# Altium PCB Camera Trap.PcbDoc
Units mm, origin at the board's own origin, x right, y up, seen from the top; angles counter-clockwise.
Board outline 58 x 93.5 mm, 2 copper layers (Top Layer, Bottom Layer); 30 components, 26 nets, 115 pads, 7 vias.
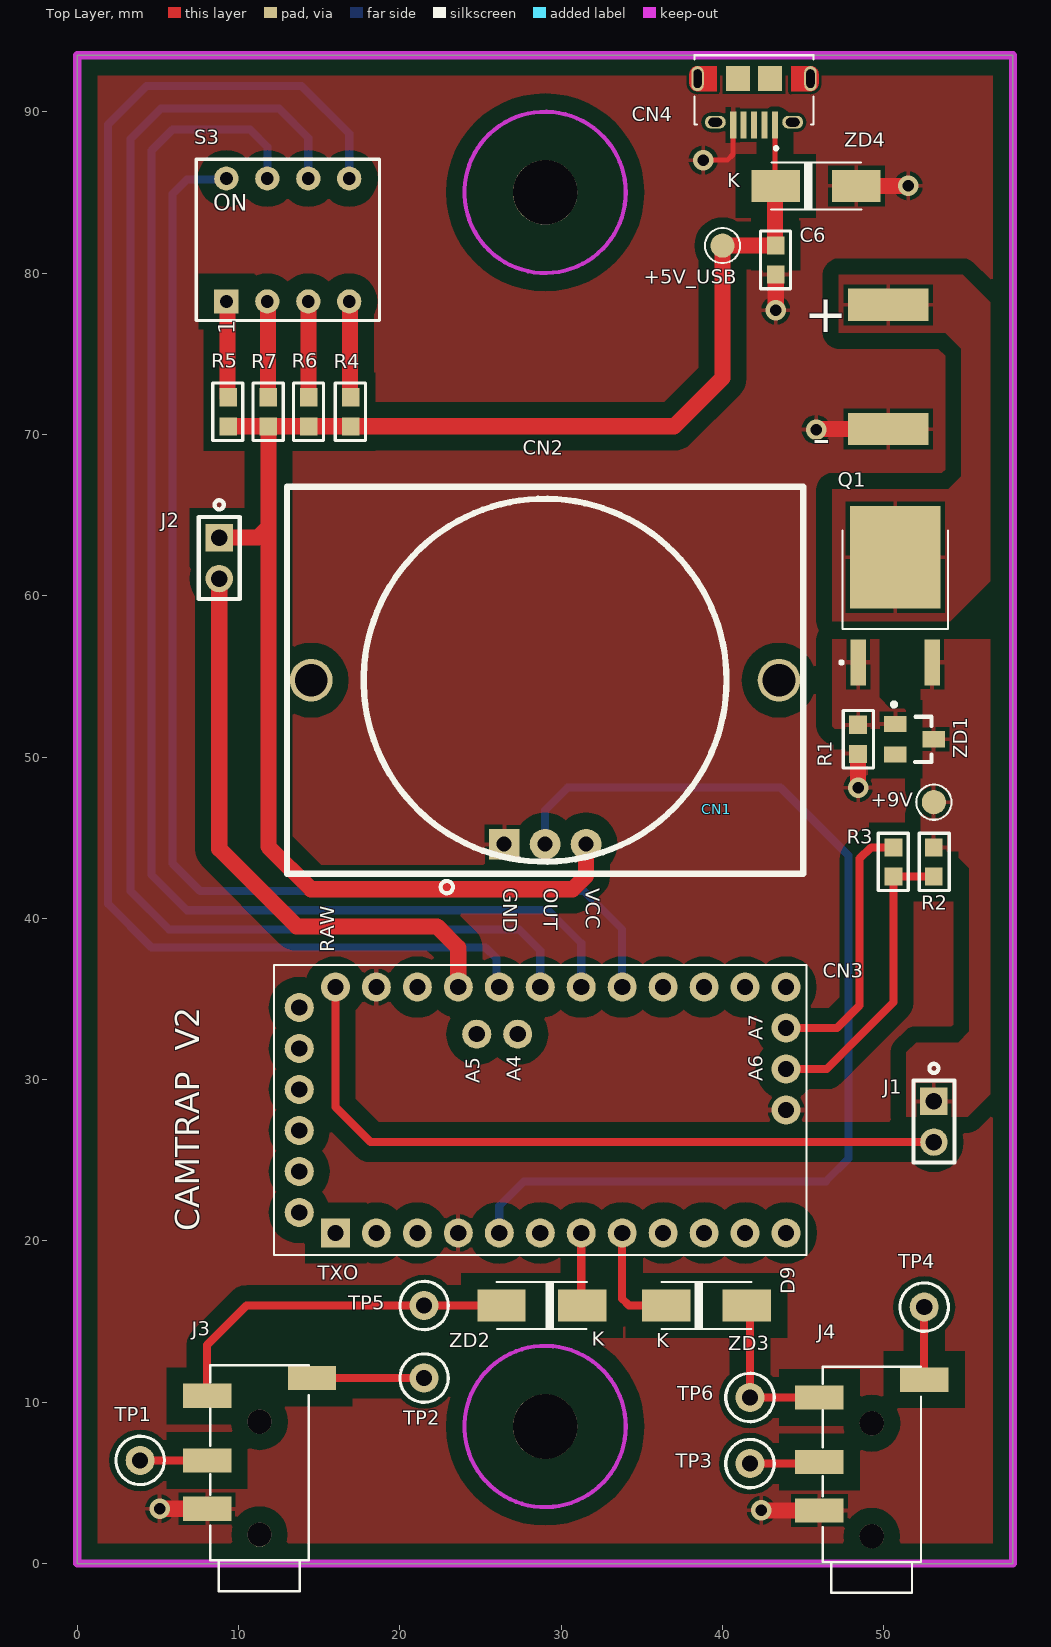
[diagram p0: Top Layer view]
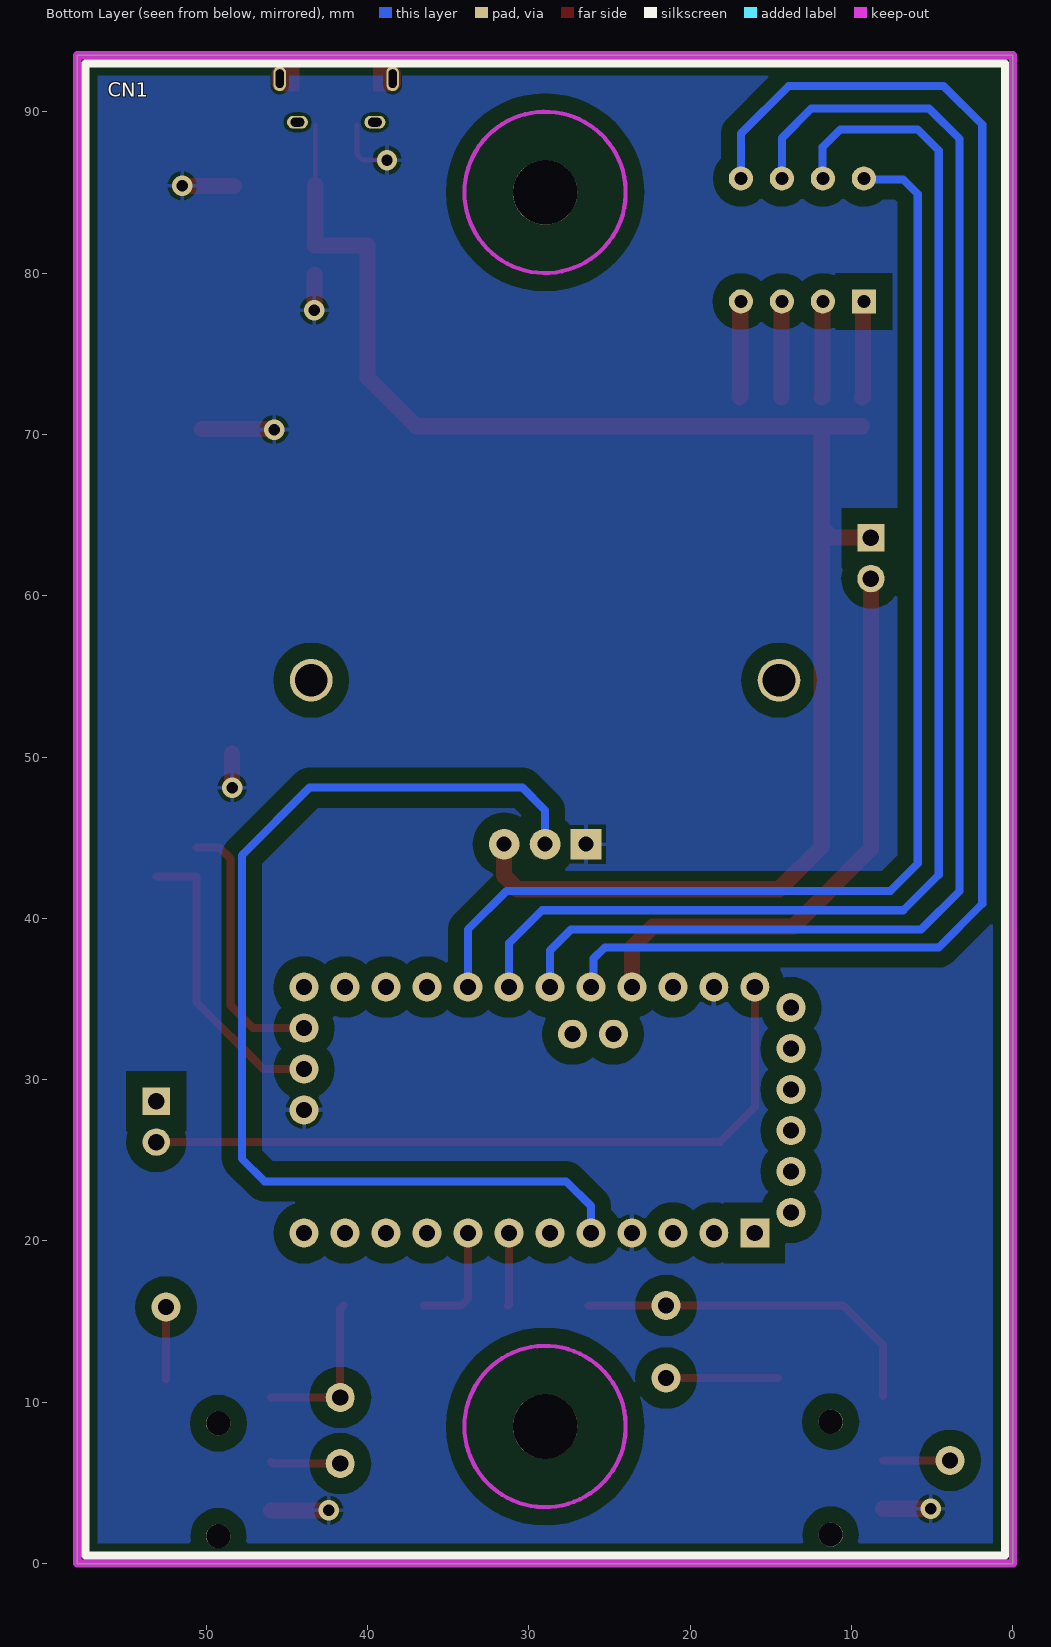
[diagram p1: Bottom Layer view, seen from below]
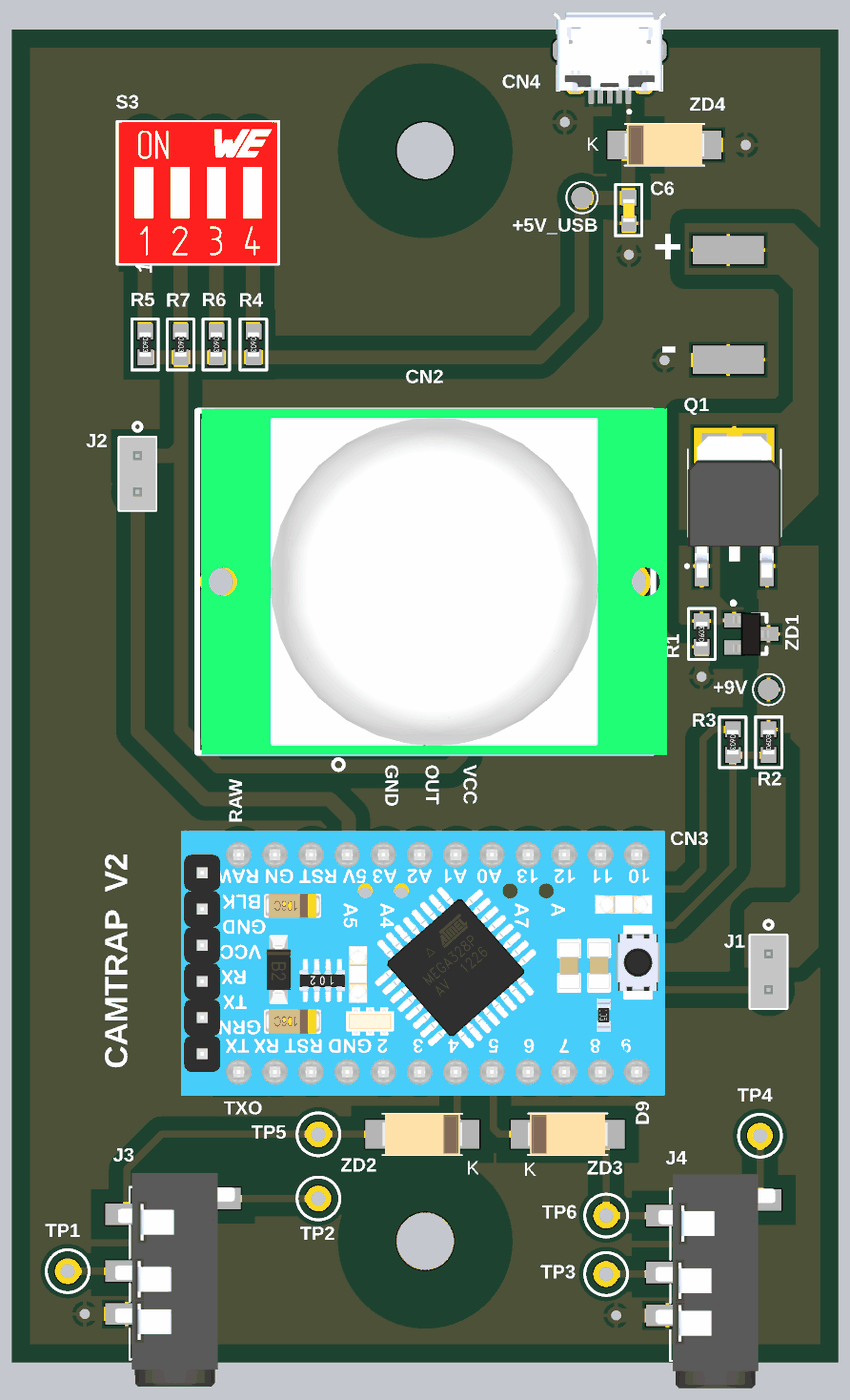
[diagram p2: 3D render of the assembled board from above, using the file's embedded part models]

## Layer stack, top to bottom
Top Solder: solder mask 0.0102, Solder Resist, Dk 3.5
Top Layer: signal copper 0.0356
Dielectric 1: dielectric 0.32, FR-4, Dk 4.8
Bottom Layer: signal copper 0.0356
Bottom Solder: solder mask 0.0102, Solder Resist, Dk 3.5

## Board outline
0,0 58,0 58,93.5 0,93.5

## Design rules (kind name [scope] priority, off if disabled: settings)
BoardOutlineClearance BoardOutlineClearance_1 [(InComponent('CN4') OR InComponent('J3') OR InComponent('J4') OR InComponent('CN1'))] p1: gap=0.254 ignorepadtopadclearanceinfootprint=FALSE except(0: Arc-SplitContinuation Track-OutlineEdge Track-SplitContinuation SMDPad-OutlineEdge SMDPad-SplitContinuation THPad-SplitContinuation Via-SplitContinuation Fill-SplitContinuation Poly-SplitContinuation Region-SplitContinuation Text-SplitContinuation; 0.203: Arc-OutlineEdge; 0.5: THPad-OutlineEdge Via-OutlineEdge Fill-OutlineEdge Poly-OutlineEdge Region-OutlineEdge Text-OutlineEdge)
BoardOutlineClearance [All] p2: gap=0.254 ignorepadtopadclearanceinfootprint=FALSE except(0: Arc-SplitContinuation Track-SplitContinuation SMDPad-SplitContinuation THPad-SplitContinuation Via-SplitContinuation Fill-SplitContinuation Poly-SplitContinuation Region-SplitContinuation Text-SplitContinuation; 0.5: Arc-OutlineEdge Track-OutlineEdge SMDPad-OutlineEdge THPad-OutlineEdge Via-OutlineEdge Fill-OutlineEdge Poly-OutlineEdge Region-OutlineEdge Text-OutlineEdge)
Clearance Clearance_CN4 [InComponent('CN4')] p1: gap=0.203 ignorepadtopadclearanceinfootprint=FALSE
Clearance [All] p2: gap=0.5 ignorepadtopadclearanceinfootprint=FALSE except(1: Arc-Fill Arc-Poly Arc-Region Track-Fill Track-Poly Track-Region SMDPad-Fill SMDPad-Poly SMDPad-Region THPad-Fill THPad-Poly THPad-Region Via-Fill Via-Poly Via-Region Fill-Fill Fill-Poly Fill-Region Fill-Hole Poly-Poly Poly-Region Poly-Hole Region-Region Region-Hole)
ComponentClearance [All] p1: gap=0.254 collisioncheckmode=3 verticalgap=2540 showdistances=FALSE
Height [All] p1: minheight=0 maxheight=30 prefheight=5
HoleSize [All] p1: absolutevalues=TRUE maxlimit=4.064 minlimit=0.025 maxpercent=80.000 minpercent=20.000
MinimumSolderMaskSliver [All] p1: minsoldermaskwidth=0.127
PolygonConnect [All] p1: connectstyle=Relief reliefconductorwidth=0.254 reliefentries=4 polygonreliefangle="90 Angle" airgapwidth=0.254
RoutingVias [All] p1: holewidth=0.711 width=1.27 viastyle="Through Hole" minholewidth=0.711 minwidth=1.27 maxholewidth=0.711 maxwidth=1.27
SilkToSilkClearance [All] p1: silktosilkclearance=0.127
SilkToSolderMaskClearance SilkToSolderMaskClearance_1 [(InComponent('CN4') OR InComponent('CN2') OR InComponent('J3') OR InComponent('J4'))] p1: minsilkscreentomaskgap=0 clearancetoexposedcopper=TRUE
SilkToSolderMaskClearance [IsPad] p2: minsilkscreentomaskgap=0.127 clearancetoexposedcopper=TRUE
SolderMaskExpansion [All] p1: expansion=0.102 istentingtop=FALSE
Width [All] p1: maxlimit=2 minlimit=0.254 preferedwidth=0.254
24 further rules are at their usual default settings.

## Components (designator, comment, footprint, x,y, rotation, side; value= is the part's Value field where it differs from the comment)
+5V_USB "+5V_USB" TP_SMD 40,81.7 r90 top
+9V "+9V" TP_SMD 53.1,47.2 r0 top
C6 "100nF" CAP_0603_MANUAL 43.3,80.8 r270 top
CN1 "Battery cell" BAT_AAA 57.5,0.5 r180 bottom locked
CN2 "HC-SR501" PIR-SR501 29,49.68 r0 top
CN3 "Arduino mini Pro" "Arduino pro mini" 16,20.5 r90 top
CN4 "Micro USB" AMPHENOL_10118194-0001LF 41.95,92.05 r180 top locked
J1 "2 pin Header" 2Pin_Header_2.54mmpitch 53.1,27.4 r270 top
J2 "2 pin Header" 2Pin_Header_2.54mmpitch 8.8,62.33 r270 top
J3 "Audio Jack" "Audio JAck" 14.35,0.2 r90 top
J4 "Audio Jack" "Audio JAck" 52.3,0.1 r90 top
Q1 "IRFR5305TRPBF" TO-252 50.7,60 r90 top
R1 "100K" RES_0603_MANUAL 48.4,51.1 r90 top
R2 "100K" RES_0603_MANUAL 53.1,43.5 r90 top
R3 "47K" RES_0603_MANUAL 50.6,43.5 r270 top
R4 "1K" RES_0603_MANUAL 16.95,71.4 r270 top
R5 "1K" RES_0603_MANUAL 9.35,71.4 r270 top
R6 "1K" RES_0603_MANUAL 14.35,71.4 r270 top
R7 "1K" RES_0603_MANUAL 11.85,71.4 r270 top
S3 "DIP Switch" "DIP Switch" 13.05,82.05 r0 top
TP1 "TP" Tp 3.9,6.4 r0 top
TP2 "TP" Tp 21.5,11.5 r0 top
TP3 "TP" Tp 41.7,6.2 r0 top
TP4 "TP" Tp 52.5,15.9 r0 top
TP5 "TP" Tp 21.5,16 r0 top
TP6 "TP" Tp 41.7,10.3 r0 top
ZD1 "BZX84-C12" SOT-23 51.9,51.1 r270 top
ZD2 "SML4733" DO-214AC_SMA 28.8,16 r0 top
ZD3 "SML4733" DO-214AC_SMA 39,16 r180 top
ZD4 "SML4733" DO-214AC_SMA 45.8,85.4 r180 top

## Footprints (in the part's own frame and the unit in brackets; to place one, negate y for a bottom-side part, rotate by r counter-clockwise, add the part's x,y. Pads: shape width x height; smd on the part's side, far side on the other; paste and mask are expansions set on the pad)
2Pin_Header_2.54mmpitch [mm]
  rect 1.7x1.7 hole 1.02: 1(-1.27,0)
  round 1.7 hole 1.02: 2(1.27,0)
  silkscreen extent -3.59,-1.27 2.54,1.27, body extent -2.54,-1.27 2.54,1.27, height 10.17
AMPHENOL_10118194-0001LF [mm]
  rect 0.4x1.7 smd mask+0.051: 1(-1.3,2.875) 2(-0.65,2.875) 3(0,2.875) 4(0.65,2.875) 5(1.3,2.875)
  oval 1.3x0.8 hole 0.55 slot 0.85 at 0 deg mask+0.051: S1(-2.4,2.7) S2(2.4,2.7)
  oval 0.775x1.55 hole 0.5 slot 1.15 at 90 deg: S3(-3.5,0) S6(3.5,0)
  rect 1.5x1.55 smd: S4(-1,0) S5(1,0)
  Top Layer region: 192 vertices and 0 holes, not listed, extent 2.3,-0.78 4,0.775
  Top Layer region: 192 vertices and 0 holes, not listed, extent -4,-0.775 -2.3,0.78
  silkscreen extent -3.7,-1.45 3.7,4.42, body extent -4.02,-2.68 4.02,2.85, height 2.67
"Arduino pro mini" [mm]
  rect 1.8x1.8 hole 1 mask+0.102: 1(0,0)
  round 1.8 hole 1 mask+0.102: 2(0,-2.54) 3(0,-5.08) 4(0,-7.62) 5(0,-10.16) 6(0,-12.7) 7(0,-15.24) 8(0,-17.78) 9(0,-20.32) 10(0,-22.86) 11(0,-25.4) 12(0,-27.94) 13(15.24,0) 14(15.24,-2.54) 15(15.24,-5.08) 16(15.24,-7.62) 17(15.24,-10.16) 18(15.24,-12.7) 19(15.24,-15.24) 20(15.24,-17.78) 21(15.24,-20.32) 22(15.24,-22.86) 23(15.24,-25.4) 24(15.24,-27.94) 25(10.16,-27.94) 26(12.7,-27.94) 27(12.319,-11.303) 28(12.319,-8.763) DTR(1.27,2.24) GND(7.62,-27.94) GND1(11.43,2.24) GND2(13.97,2.24) RXI(6.35,2.24) TXO(3.81,2.24) VCC(8.89,2.24)
  silkscreen extent -1.38,-29.21 16.62,3.81, body extent -1.81,-29.85 16.79,4.16, height 13.6
"Audio JAck" [mm]
  round 1.5 hole 1.5 unplated: 0(1.6,3.05) 0(8.6,3.05)
  rect 1.5x3 smd: 2(3.2,6.3) 3(6.2,6.3) 4(10.2,6.3) 5(11.3,-0.2)
  silkscreen extent -1.91,0 12.1,6.1, body extent -1.91,-1.28 13.09,7.12, height 5.4
BAT_AAA [mm]
  rect 5x2 smd far side mask+0.102: 1(7.227,77.528) 2(7.227,69.828)
  round 4 hole 4: ""(28.5,8)
  round 4 hole 4 unplated: ""(28.5,84.5)
  silkscreen extent 0,0 57,92.5
CAP_0603_MANUAL [mil]
  rect 44x43 smd: 1(-35.43,0) 2(35.43,0)
  silkscreen extent -71,-37 70,36, body extent -37,-16 37,16, height 32
"DIP Switch" [mm] "2.54 mm compact THT with raised actuator, 4p"
  rect 1.5x1.5 hole 0.8: 1(-3.81,-3.81)
  round 1.5 hole 0.8: 2(-1.27,-3.81) 3(1.27,-3.81) 4(3.81,-3.81) 5(3.81,3.81) 6(1.27,3.81) 7(-1.27,3.81) 8(-3.81,3.81)
  silkscreen extent -5.68,-5 5.68,5, body extent -5.58,-4.95 5.58,4.95, height 6.9
DO-214AC_SMA [mm]
  rect 3x2 smd: 1(-2.5,0) 2(2.5,0)
  silkscreen extent -2.8,-1.47 2.79,1.45, body extent -2.79,-1.46 2.79,1.46, height 2.55
PIR-SR501 [mil]
  rect 75x75 hole 36: 1(-100,-200)
  round 75 hole 36: 2(0,-200) 3(100,-200)
  round 104 hole 80: ""(-570.9,200) ""(570.9,200)
  silkscreen extent -630,-320 630,672, body extent -619,-278 669,678, height 1122
RES_0603_MANUAL [mil]
  rect 44x43 smd: 1(-35.43,0) 2(35.43,0)
  silkscreen extent -70,-37 70,36, body extent -33,-16 33,15, height 22
SOT-23 [mm]
  rect 1x1.4 smd: 1(-0.95,-1.2) 2(0.95,-1.2) 3(0,1.2)
  silkscreen extent -2.29,-1.4 1.4,1.06, body extent -1.49,-1.32 1.51,1.22, height 1.1
TO-252 [mm]
  rect 2.83x0.97 smd: 1(-4.14,2.29) 3(-4.14,-2.29)
  rect 6.35x5.63 smd paste-4: 2(2.38,0)
  silkscreen extent -4.24,-3.27 4.03,3.42, body extent -4.95,-3.27 4.95,3.27, height 2.39
Tp [mm]
  round 1.8 hole 1 mask+0.08: 1(0,0)
  silkscreen extent -1.5,-1.5 1.5,1.5
TP_SMD [mm]
  round 1.5 smd mask+0.08: 1(0,0)
  silkscreen extent -1.09,-1.09 1.09,1.09

## Part data
+5V_USB +9V: library part TP
C6: library part "CAP CER 100nF 50V X7R 0603", "100nF 104 0603 (1608 metric) 50V X7R MLCC", Sunrom P/N=5190
CN1: library part "Battery Cell", "6x AAA cell", Robu P/N=294162
CN2: library part "PIR Motion Detection Sensor HC-SR501", "PIR Motion Detection Sensor HC-SR501", Sunrom P/N=4176
CN3: "Pro Mini - ATMEGA 328P - 5V 16Mhz - Compatible Board", EC_P/N=0923
CN4: library part "Micro USB Connector", "MicroUSB Connector with through hole", Sunrom P/N=4653
J3 J4: library part "Stereo Socket 3.5mm PCB Mount SMD", "Stereo Socket 3.5mm PCB Mount SMD", Sunrom P/N=5543
Q1: library part "MOSFET P-CH 55V 31A TO252", "IRFR5305TRPBF (31A 55V) IRFR5305 TO252 P-CH MOSFET", Manufacturer="Infineon Technologies", Manufacturer_P/N=IRFR5305TRPBF, Sunrom P/N=6680
R1: library part "RES 100K OHM 1% 0603", "47K 1% 0603", Sunrom P/N=5108
R2: library part "100K 1% 0603", "100K 1% 0603", Sunrom P/N=5108
R3: library part "RES 47K OHM 1% 0603", "47K 1% 0603", Sunrom P/N=6636
R4 R5 R6 R7: library part "1K 1% 0603", "100K 1% 0603", Sunrom P/N=5191
S3: library part "SPST DIP Switch", "4 Way 2.54MM DIP switch", Sunrom P/N=5841
ZD1: library part "BZX84-C12 NXP 12V 250mW SOT23", "BZX84-C12 NXP 12V 250mW SOT23 Zener Diode", Sunrom P/N=5396
ZD2 ZD3 ZD4: library part "SML4733 5.1V 1W Zener Diode DO-214AC", "SML4733 5.1V 1W Zener Diode DO-214AC (SMA) SMD", Sunrom P/N=5396
J1 J2: Sunrom P/N=7197

## Via types
v1: diameter 1.27, hole 0.711, Top Layer to Bottom Layer, tented both sides, 7 vias

## Nets (pads, with @x,y where several pads share a name; then routed paths per layer and width w, separated by ;. In a path a pad name is that pad's centre, name@x,y a point inside that pad or via, vN(x,y) a via of type N, cw(c..) or ccw(c..) an arc to the next point about the centre after c; other vN are vias at no path point)
+5V_USB: +5V_USB.1 C6.1 CN2.3 CN4.1 J2.1 R4.2 R5.2 R6.2 R7.2 ZD4.2 | length 103.4
  Top Layer w0.3: ZD4.2@43.25,85.45 CN4.1
  Top Layer w1: J2.1 11.2,63.6 11.85,64.25 ; R5.2 R7.2 ; CN2.3 31.54,42.638 30.702,41.8 14.5,41.8 11.85,44.45 11.85,64.25 ; ZD4.2@43.25,85.45 43.25,81.763 43.3,81.713 C6.1 +5V_USB.1 40,73.5 37,70.5 R4.2 R6.2 R7.2 ; 11.85,64.25 R7.2
+9V: +9V.1 J1.1 Q1.3 R2.2 ZD1.3
+9V_RAW: CN1.1 Q1.2
"Audio jack1": J3.4 TP5.1 ZD2.1 | length 22.4
  Top Layer w0.5: J3.4 8.05,13.55 10.5,16 TP5.1 ZD2.1
"Audio jack2": J4.4 TP6.1 ZD3.1 | length 10.1
  Top Layer w0.5: ZD3.1 41.7,15.8 TP6.1 J4.4
BAT_GND: CN3.26 R3.1 | length 16.6
  Top Layer w0.5: CN3.26 47.1,33.2 48.5,34.6 48.5,43.7 49.2,44.4 R3.1
GND: C6.2 CN1.2 CN2.1 CN3.4 CN3.14 CN3.GND CN4.5 J3.2 J4.2 R1.1 ZD4.1 | length 22.4
  Top Layer w0.3: v1(38.8,87) 40.3,87 40.65,87.35 CN4.5
  Top Layer w1: v1(5.1,3.4) J3.2 ; v1(42.4,3.3) J4.2 ; v1(43.3,77.7) C6.2 ; v1(45.8,70.3) 45.828,70.328 CN1.2 ; ZD4.1 v1(51.5,85.4) ; v1(48.4,48.1) R1.1
NetCN3_7: CN3.7 ZD2.2 | length 4.5
  Top Layer w0.5: CN3.7 31.24,16.06 ZD2.2
NetCN3_8: CN3.8 ZD3.2 | length 7
  Top Layer w0.5: CN3.8 33.78,16.42 34.2,16 ZD3.2
NetCN3_13: CN3.13 J1.2 | length 45.4
  Top Layer w0.5: CN3.13 16,28.3 18.17,26.13 J1.2
NetCN3_16: CN3.16 J2.2 | length 36.6
  Top Layer w1: J2.2 8.8,44.3 13.6,39.5 22.3,39.5 23.62,38.18 CN3.16
NetJ3_3: J3.3 TP1.1 | length 4.1
  Top Layer w0.5: TP1.1 J3.3
NetJ3_5: J3.5 TP2.1 | length 7
  Top Layer w0.5: J3.5 TP2.1
NetJ4_3: J4.3 TP3.1 | length 4.3
  Top Layer w0.5: TP3.1 45.9,6.2 J4.3
NetJ4_5: J4.5 TP4.1 | length 4.5
  Top Layer w0.5: J4.5 TP4.1
NetQ1_1: Q1.1 R1.2 ZD1.1
NetR4_1: R4.1 S3.4 | length 6
  Top Layer w1: S3.4 16.905,78.195 16.905,72.345 R4.1
NetR5_1: R5.1 S3.1 | length 6
  Top Layer w1: S3.1 9.304,78.176 9.304,72.346 R5.1
NetR6_1: R6.1 S3.3 | length 6
  Top Layer w1: S3.3 14.335,78.225 14.335,72.315 R6.1
NetR7_1: R7.1 S3.2 | length 6
  Top Layer w1: S3.2 11.815,78.205 11.815,72.335 R7.1
PIR_SENSOR: CN2.2 CN3.5 | length 66.5
  Bottom Layer w0.5: CN3.5 26.16,22.16 27.7,23.7 46.4,23.7 47.8,25.1 47.8,43.9 43.6,48.1 30.4,48.1 29,46.7 CN2.2
SW1: CN3.17 S3.5 | length 95.6
  Bottom Layer w0.5: S3.5 16.86,88.64 13.9,91.6 4.3,91.6 1.9,89.2 1.9,40.9 4.6,38.2 25.3,38.2 26,37.5 26,35.9 CN3.17
SW2: CN3.18 S3.6 | length 90.9
  Bottom Layer w0.5: S3.6 14.32,88.38 12.5,90.2 5.2,90.2 3.3,88.3 3.3,41.7 5.7,39.3 27.4,39.3 28.7,38 CN3.18
SW3: CN3.19 S3.7 | length 86.2
  Bottom Layer w0.5: S3.7 11.8,85.88 11.8,87.8 10.7,88.9 5.9,88.9 4.6,87.6 4.6,42.7 6.8,40.5 29.2,40.5 31.24,38.46 CN3.19
SW4: CN3.20 S3.8 | length 78.4
  Bottom Layer w0.5: S3.8 9.18,85.8 6.8,85.8 5.9,84.9 5.9,43.4 7.6,41.7 31.4,41.7 33.78,39.32 CN3.20
VOLT_MEAS: CN3.25 R2.1 R3.2 | length 18.7
  Top Layer w0.5: CN3.25 46.46,30.66 50.6,34.8 R3.2 R2.1
pads on no net: CN1. CN2. CN3.1 CN3.2 CN3.3 CN3.6 CN3.9 CN3.10 CN3.11 CN3.12 CN3.15 CN3.21 CN3.22 CN3.23 CN3.24 CN3.27 CN3.28 CN3.DTR CN3.GND1 CN3.GND2 CN3.RXI CN3.TXO CN3.VCC CN4.2 CN4.3 CN4.4 CN4.S1 CN4.S2 CN4.S3 CN4.S4 CN4.S5 CN4.S6 J3.0 J4.0 ZD1.2

## Polygon pours and split planes (outlines as drawn)
GND on Top Layer "NONET_L-01_P-001" (solid, remove dead copper, pour order 4): 0,0 58,0 58,93.5 0,93.5
NetQ1_1 on Top Layer "NONET_L-01_P-001" (solid, pour order 2): 51.5,51.5 51.3,51.3 47.4,51.3 46.8,51.9 46.8,57.3 49.7,57.3 49.7,53.7 50.4,53 51.5,53
+9V on Top Layer "NONET_L-01_P-001" (solid, remove dead copper, pour order 1): 56.6,29.1 55.2,27.7 51.4,27.7 51.4,31.7 52,32.3 54.6,32.3 55.3,33 55.3,43.1 54.6,43.8 52.3,43.8 52.3,57.3 56.6,57.3
+9V_RAW on Top Layer "NONET_L-01_P-001" (solid, remove dead copper, pour order 0): 47.2,76.3 53.8,76.3 54.8,75.3 54.8,67.4 54,66.6 46.8,66.6 46.8,58.4 54.1,58.4 56.6,60.9 56.6,78.2 54.9,79.9 47.2,79.9
GND on Bottom Layer "NONET_L-01_P-001" (solid, remove dead copper, pour order 3): 0,0 58,0 58,93.5 0,93.5

## Keep-outs
Keep-Out Layer:
  circle w0.254: c29,8.5 r5
  circle w0.254: c29,85 r5
  lines w0.5: 0,0 58,0 58,93.5 0,93.5 0,0

## Silkscreen, mask and mechanical layers (free items; w line width, h text height)
Top Overlay:
  text "CAMTRAP  V2" at 8.072,20.6 h2.54 r90
Mechanical 1:
  the board outline again, w0.5
Drill Drawing:
  circle w0.254: c2.656,149.222 r0.508
  circle w0.254: c2.656,149.222 r0.847
  circle w0.254: c2.656,118.742 r0.847
  lines w0.254: 1.809,121.705 1.809,122.128 2.233,122.552 1.809,122.975 1.809,123.398 2.233,123.398 2.656,122.975 3.079,123.398 3.503,123.398 3.503,122.975 3.079,122.552 3.503,122.128 3.503,121.705 3.079,121.705 2.656,122.128 2.233,121.705 1.809,121.705 ; 1.809,127.208 3.503,127.208 2.656,125.515 1.809,127.208 ; 1.809,129.325 3.503,129.325 3.503,131.018 1.809,131.018 1.809,129.325 ; 1.809,133.982 2.656,133.135 3.503,133.982 2.656,134.828 1.809,133.982 ; 1.809,137.368 2.233,137.368 2.656,136.945 3.079,137.368 3.503,137.368 3.079,137.792 3.503,138.215 3.079,138.215 2.656,138.638 2.233,138.215 1.809,138.215 2.233,137.792 1.809,137.368 ; 1.809,142.448 3.503,142.448 2.656,140.755 1.809,142.448 ; 1.809,144.565 3.503,144.565 3.503,146.258 1.809,146.258 1.809,144.565 ; 1.809,152.185 2.656,152.608 3.503,152.185 3.079,153.032 3.503,153.878 2.656,153.455 1.809,153.878 2.233,153.032 1.809,152.185 ; 1.809,156.418 2.233,156.418 2.233,155.995 3.079,155.995 3.079,156.418 3.503,156.418 3.503,157.265 3.079,157.265 3.079,157.688 2.233,157.688 2.233,157.265 1.809,157.265 1.809,156.418 ; 2.148,126.87 3.164,126.87 2.656,125.854 2.148,126.87 ; 2.148,144.904 3.164,144.904 3.164,145.92 2.148,145.92 2.148,144.904
  lines w0.381: 0.29,116.752 117.759,116.752 ; 0.29,158.662 117.759,158.662 ; 14.283,112.942 14.283,162.472 ; 27.995,112.942 27.995,162.472 ; 57.197,112.942 57.197,162.472 ; 70.046,112.942 70.046,162.472 ; 88.684,112.942 88.684,162.472 ; 0.29,112.942 117.759,112.942 117.759,162.472 0.29,162.472 0.29,112.942
  lines w0.5: 0,0 58,0 58,93.5 0,93.5 0,0
  text "Symbol" at 2.576,159.805 h1.83
  text "Count" at 15.426,159.805 h1.83
  text "Hole Size" at 29.138,159.805 h1.83
  text "Plated" at 58.34,159.805 h1.83
  text "Hole Type" at 71.189,159.805 h1.83
  text "Hole Length" at 89.827,159.805 h1.83
  text "1" at 15.426,155.995 h1.52
  text "157.48mil (4.000mm)" at 29.138,155.995 h1.52
  text "NPTH" at 58.34,155.995 h1.52
  text "Round" at 71.189,155.995 h1.52
  text "-" at 89.827,155.995 h1.52
  text "1" at 15.426,152.185 h1.52
  text "157.48mil (4.000mm)" at 29.138,152.185 h1.52
  text "PTH" at 58.34,152.185 h1.52
  text "Round" at 71.189,152.185 h1.52
  text "-" at 89.827,152.185 h1.52
  text "2" at 15.426,148.375 h1.52
  text "19.69mil (0.500mm)" at 29.138,148.375 h1.52
  text "PTH" at 58.34,148.375 h1.52
  text "Slot" at 71.189,148.375 h1.52
  text "45.28mil (1.150mm)" at 89.827,148.375 h1.52
  text "2" at 15.426,144.565 h1.52
  text "21.65mil (0.550mm)" at 29.138,144.565 h1.52
  text "PTH" at 58.34,144.565 h1.52
  text "Slot" at 71.189,144.565 h1.52
  text "33.47mil (0.850mm)" at 89.827,144.565 h1.52
  text "2" at 15.426,140.755 h1.52
  text "80.00mil (2.032mm)" at 29.138,140.755 h1.52
  text "PTH" at 58.34,140.755 h1.52
  text "Round" at 71.189,140.755 h1.52
  text "-" at 89.827,140.755 h1.52
  text "3" at 15.426,136.945 h1.52
  text "36.00mil (0.914mm)" at 29.138,136.945 h1.52
  text "PTH" at 58.34,136.945 h1.52
  text "Round" at 71.189,136.945 h1.52
  text "-" at 89.827,136.945 h1.52
  text "4" at 15.426,133.135 h1.52
  text "40.16mil (1.020mm)" at 29.138,133.135 h1.52
  text "PTH" at 58.34,133.135 h1.52
  text "Round" at 71.189,133.135 h1.52
  text "-" at 89.827,133.135 h1.52
  text "4" at 15.426,129.325 h1.52
  text "59.06mil (1.500mm)" at 29.138,129.325 h1.52
  text "NPTH" at 58.34,129.325 h1.52
  text "Round" at 71.189,129.325 h1.52
  text "-" at 89.827,129.325 h1.52
  text "7" at 15.426,125.515 h1.52
  text "28.00mil (0.711mm)" at 29.138,125.515 h1.52
  text "PTH" at 58.34,125.515 h1.52
  text "Round" at 71.189,125.515 h1.52
  text "-" at 89.827,125.515 h1.52
  text "8" at 15.426,121.705 h1.52
  text "31.50mil (0.800mm)" at 29.138,121.705 h1.52
  text "PTH" at 58.34,121.705 h1.52
  text "Round" at 71.189,121.705 h1.52
  text "-" at 89.827,121.705 h1.52
  text "41" at 15.426,117.895 h1.52
  text "39.37mil (1.000mm)" at 29.138,117.895 h1.52
  text "PTH" at 58.34,117.895 h1.52
  text "Round" at 71.189,117.895 h1.52
  text "-" at 89.827,117.895 h1.52
  text "75 Total" at 15.426,114.085 h1.52
  text "Slot definitions :" at 2.576,110.403 h1.52
  text "Routed Path Length" at 28.807,110.403 h1.52
  text "= Calculated from tool start centre position to tool end centre position." at 56.815,110.403 h1.52
  text "Hole Length" at 28.807,107.863 h1.52
  text "= Routed Path Length + Tool Size = Slot length as defined in the PCB layout" at 46.404,107.863 h1.52

## Dimensions
0,93.5 to 58,93.5 on Mechanical 1
58,0 to 58,93.5 on Mechanical 1

## Text inside footprints (layer, text, board x,y; h text height)
CN1: Top Overlay "-" at 45.562,71.112 h4 r180; Top Overlay "+" at 45.054,79.113 h4 r180
CN2: Top Overlay "VCC" at 31.2,41.88 h1.5 r270; Top Overlay "OUT" at 28.6,41.88 h1.5 r270; Top Overlay "GND" at 26.1,41.88 h1.5 r270
CN3: Top Overlay "A5" at 25.271,29.771 h1.5 r90; Top Overlay "A4" at 27.811,29.898 h1.5 r90; Top Overlay "RAW" at 16.254,37.899 h1.5 r90; Top Overlay "A7" at 42.797,32.438 h1.5 r90; Top Overlay "A6" at 42.797,29.898 h1.5 r90; Top Overlay "D9" at 44.8,16.7 h1.5 r90; Top Overlay "TXO" at 14.9,17.3 h1.5
CN4: Mechanical 13 "PCB END" at 43.9,94.15 h0.5 r180
S3: Top Overlay "1" at 9.748,76.208 h1.02 r90; Top Overlay "ON" at 8.44,83.85 h1.02
ZD2: Top Overlay "K" at 31.9,13.2 h1.5; Mechanical 13 "K" at 31.9,13.2 h1.5
ZD3: Top Overlay "K" at 35.9,13.1 h1.5; Mechanical 13 "K" at 35.9,13.1 h1.5
ZD4: Top Overlay "K" at 40.3,85 h1.5; Mechanical 13 "K" at 40.3,85 h1.5